# KiCad board universal_interface_adapter.kicad_pcb (continued)
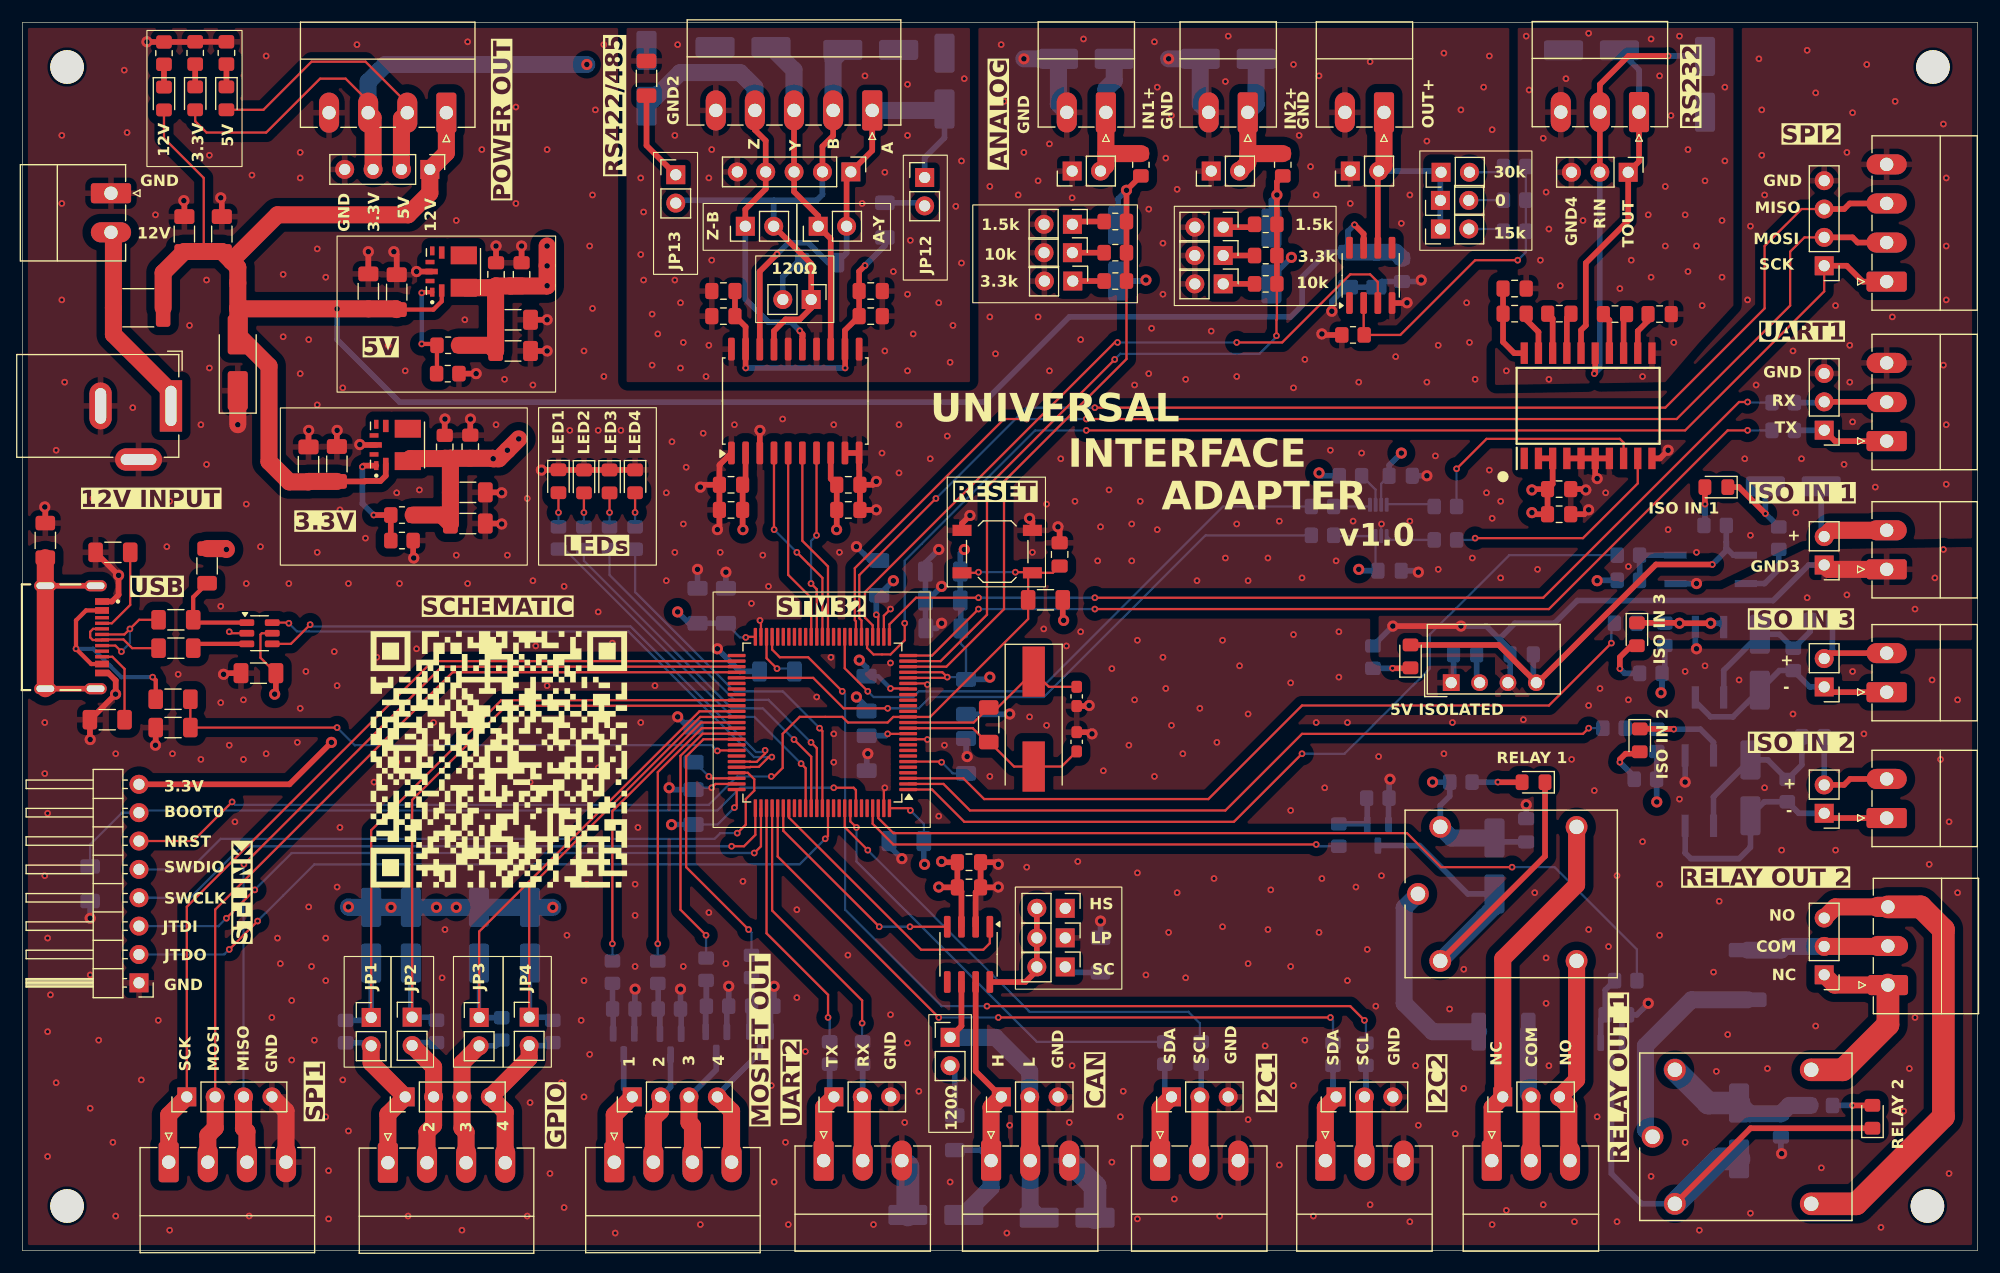
[diagram p0: board, top side]
## Library data of the parts
C1 C2 C8 = -: ki_fp_filters: C_*
C3-C7 C9-C18 C21-C58 = -: Description: Unpolarized capacitor; ki_fp_filters: C_*
C19 C20 = -: Description: Unpolarized capacitor, small symbol; ki_fp_filters: C_*
D1 D2 D7 D8 D10 D13 D16-D18 D32-D35 = -: Description: Light emitting diode; Sim.Pins: 1=K 2=A; ki_fp_filters: LED* LED_SMD:* LED_THT:*
D3-D6 D9 D11 D12 D14 D15 D29 D30 = -: Description: Diode; Sim.Pins: 1=K 2=A; ki_fp_filters: TO-???* *_Diode_* *SingleDiode* D_*
D19-D28 D31 = -: Description: Bidirectional transient-voltage-suppression diode, small symbol; ki_fp_filters: TO-???* *_Diode_* *SingleDiode* D_*
F1-F3 = -: Description: Resettable fuse, polymeric positive temperature coefficient; ki_fp_filters: *polyfuse* *PTC*
H1-H4 = -: ki_fp_filters: MountingHole*
IC1 = -: MANUFACTURER_NAME: Analog Devices; MF: Analog Devices; MOUSER_PRICE-STOCK: https://www.mouser.co.uk/ProductDetail/Analog-Devices/ADM3251EARWZ-REEL?qs=BpaRKvA4VqE7UopaPG65PQ%3D%3D; DESCRIPTION: , Line Transceiver; MOUSER_PART_NUMBER: 584-ADM3251EARWZ-R; Price: None; Package: SOIC -20 Analog Devices; Check_prices: https://www.snapeda.com/parts/ADM3251EARWZ/Analog+Devices/view-part/?ref=eda; HEIGHT: 2.65mm; MP: ADM3251EARWZ; SnapEDA_Link: https://www.snapeda.com/parts/ADM3251EARWZ/Analog+Devices/view-part/?ref=snap; ARROW_PRICE-STOCK: https://www.arrow.com/en/products/adm3251earwz-reel/analog-devices; Description_1: Isolated Single Channel RS-232 Line Driver/Receiver; Availability: In Stock
J1 = -: ki_fp_filters: Connector*:*_1x??_*
J2 = -: SNAPEDA_PN: USB4800-03-A; STANDARD: Manufacturer Recommendations; MAXIMUM_PACKAGE_HEIGHT: 5.38 mm; PARTREV: A; MANUFACTURER: GCT
J3-J6 J17-J19 J21 J35-J38 J41-J44 = -: Description: Generic connector, single row, 01x03, script generated (kicad-library-utils/schlib/autogen/connector/); ki_fp_filters: Connector*:*_1x??_*
J7-J12 J23-J29 = -: Description: Generic connector, single row, 01x02, script generated (kicad-library-utils/schlib/autogen/connector/); ki_fp_filters: Connector*:*_1x??_*
J13-J16 J31-J34 J39 J40 = -: Description: Generic connector, single row, 01x04, script generated (kicad-library-utils/schlib/autogen/connector/); ki_fp_filters: Connector*:*_1x??_*
J20 J22 = -: Description: Generic connector, single row, 01x05, script generated (kicad-library-utils/schlib/autogen/connector/); ki_fp_filters: Connector*:*_1x??_*
J30 = -: Description: DC Barrel Jack with an internal switch; ki_fp_filters: BarrelJack*
JP1-JP22 = -: Description: Jumper, 2-pole, open; ki_fp_filters: Jumper* TestPoint*2Pads* TestPoint*Bridge*
K1 K2 = -: MF: Rayex; MAXIMUM_PACKAGE_HEIGHT: 15.2mm; Package: None; Price: None; Check_prices: https://www.snapeda.com/parts/LEG-24/Rayex/view-part/?ref=eda; STANDARD: Manufacturer Recommendations; PARTREV: N/A; SnapEDA_Link: https://www.snapeda.com/parts/LEG-24/Rayex/view-part/?ref=snap; MP: LEG-24; Description_1: Relay: electromagnetic; SPDT; Ucoil: 24VDC; 10A/120VAC; 10A/24VDC; SNAPEDA_PN: LEG-24; Availability: Not in stock; MANUFACTURER: Rayex
Q1-Q6 = -: Datasheet: https://www.infineon.com/dgdl/Infineon-IRLML6244-DataSheet-v01_01-EN.pdf?fileId=5546d462533600a4015356686fed261f; Description: 6.3A Id, 20V Vds, 21mOhm Rds, N-Channel StrongIRFET Power MOSFET, SOT-23; ki_fp_filters: SOT?23*
R1-R11 = -: ki_fp_filters: R_*
R12 R13 R16 R17 R32-R39 = -: Description: Resistor, small symbol; ki_fp_filters: R_*
R14 R15 R18-R31 R40-R77 R79-R86 = -: Description: Resistor; ki_fp_filters: R_*
U1 = -: Datasheet: https://www.st.com/resource/en/datasheet/usblc6-2.pdf; Description: Very low capacitance ESD protection diode, 2 data-line, SOT-23-6; ki_fp_filters: SOT?23*
U2 = -: Datasheet: https://www.st.com/resource/en/datasheet/stm32f446ve.pdf; Description: STMicroelectronics Arm Cortex-M4 MCU, 512KB flash, 128KB RAM, 180 MHz, 1.8-3.6V, 81 GPIO, LQFP100; ki_fp_filters: LQFP*14x14mm*P0.5mm*
U3-U5 = -: Datasheet: http://optoelectronics.liteon.com/upload/download/DS70-2001-010/S_110_LTV-356T%2020140520.pdf; Description: DC Optocoupler, Vce 80V, CTR 50%, SO-4; ki_fp_filters: SO*4.4x3.6mm*P2.54mm*
U6 = -: Datasheet: http://www.ti.com/lit/ds/symlink/sn65hvd230.pdf; Description: CAN Bus Transceivers, 3.3V, 1Mbps, Low-Power capabilities, SOIC-8; ki_fp_filters: SOIC*3.9x4.9mm*P1.27mm*
U7 = -: Datasheet: http://www.ti.com/lit/ds/symlink/txb0102.pdf; Description: 2-Bit Bidirectional Voltage-Level Translator With Auto Direction Sensing and ±15-kV ESD Protection, VSSOP-8; ki_fp_filters: VSSOP*2.3x2mm*P0.5mm*
U8 = -: Datasheet: www.analog.com/media/en/technical-documentation/data-sheets/ADM2582E_2587E.pdf; Description: Isolated RS485/RS422 Transceiver,Integrated Isolated DC-DC Converter, 16Mbps,SO-20; ki_fp_filters: SOIC*7.5x12.8mm*P1.27mm*
U9 = -: Datasheet: http://www.ti.com/lit/ds/symlink/opa197.pdf; Description: Single 36V, Precision, Rail-to-Rail Input/Output, Low Offset Voltage, Operational Amplifier, SOIC-8; ki_fp_filters: SOIC*3.9x4.9mm*P1.27mm*
U10 U11 = -: MF: Recom Power; MAXIMUM_PACKAGE_HEIGHT: 2.0mm; Package: PowerBQFN-9 Recom Power; Price: None; Check_prices: https://www.snapeda.com/parts/RPX-2.5-R/Recom+Power/view-part/?ref=eda; STANDARD: Manufacturer recommendations; PARTREV: 03/2020; SnapEDA_Link: https://www.snapeda.com/parts/RPX-2.5-R/Recom+Power/view-part/?ref=snap; Description_1: Non-Isolated PoL Module DC DC Converter 1 Output 1.2 ~ 6V - - - 2.5A 4.5V - 28V Input; Availability: In Stock; MANUFACTURER: RECOM
U12 = -: Datasheet: https://www.tracopower.com/products/tea1.pdf; Description: 1W DC/DC converter unregulated, 4.5-5.5V input, 5V output voltage, 200mA output, 1.5kVDC isolation, SIP-4; ki_fp_filters: Converter*DCDC*TRACO*TEA1*THT*
Y1 = -: ki_fp_filters: Crystal*

## Footprints (pads in the part's own frame, mm; a bottom-side part is the same pattern mirrored in y, then rotated)
BarrelJack_GCT_DCJ200-10-A_Horizontal
  rect 4.6x2 hole 3.6x1: 1(0,0)
  oval 4.2x2 hole 3.2x1: 2(0,-6.3)
  oval 2x4.2 hole 1x3.2: 3(4.8,-2.9)
C_0603_1608Metric_Pad1.08x0.95mm_HandSolder
  rrect 1.075x0.95 smd: 1(-0.863,0) 2(0.863,0)
C_0805_2012Metric_Pad1.18x1.45mm_HandSolder
  rrect 1.175x1.45 smd: 1(-1.038,0) 2(1.038,0)
C_1206_3216Metric_Pad1.33x1.80mm_HandSolder
  rrect 1.325x1.8 smd: 1(-1.562,0) 2(1.562,0)
CONV_RPX-2.5-R
  rect 0.8x0.4 smd: 1(-1.85,1.9) 6(1.85,1.9)
  rect 1.1x0.5 smd: 2(-1.7,1.05) 5(1.7,1.05)
  rect 1.6x2.35 smd: 3(-1.45,-0.925) 4(1.45,-0.925)
  rect 0.4x0.8 smd: 7(0.85,2.1) 9(-0.85,2.1)
  rect 0.5x1.1 smd: 8(0,1.95)
Converter_DCDC_TRACO_TEA1-xxxx_THT
  rect 1.5x1.5 hole 1: 1(0,0)
  round 1.5 hole 1: 2(0,-2.54) 3(0,-5.08) 4(0,-7.62)
Crystal_SMD_HC49-SD
  rect 4.5x2 smd: 1(-4.25,0) 2(4.25,0)
D_SMA_Handsoldering
  rrect 3.5x1.8 smd: 1(-2.5,0) 2(2.5,0)
Fuse_1812_4532Metric_Pad1.30x3.40mm_HandSolder
  rrect 1.3x3.4 smd: 1(-2.225,0) 2(2.225,0)
GCT_USB4800-03-A_REVA
  rect 0.6x1.25 smd: A1_B12(-3.2,5.075) A4_B9(-2.4,5.075) B1_A12(3.2,5.075) B4_A9(2.4,5.075)
  rect 0.3x1.25 smd: A5(-1.25,5.075) A6(-0.25,5.075) A7(0.25,5.075) A8(1.25,5.075) B5(1.75,5.075) B6(0.75,5.075) B7(-0.75,5.075) B8(-1.75,5.075)
  oval 1x2 hole 0.6x1.6: S1(-4.61,0) S2(4.61,0) S3(-4.61,4.5) S4(4.61,4.5)
LED_0805_2012Metric_Pad1.15x1.40mm_HandSolder
  rrect 1.15x1.4 smd: 1(-1.025,0) 2(1.025,0)
LQFP-100_14x14mm_P0.5mm
  rrect 1.6x0.3 smd: 1(-7.675,6) 2(-7.675,5.5) 3(-7.675,5) 4(-7.675,4.5) 5(-7.675,4) 6(-7.675,3.5) 7(-7.675,3) 8(-7.675,2.5) 9(-7.675,2) 10(-7.675,1.5) 11(-7.675,1) 12(-7.675,0.5) 13(-7.675,0) 14(-7.675,-0.5) 15(-7.675,-1) 16(-7.675,-1.5) 17(-7.675,-2) 18(-7.675,-2.5) 19(-7.675,-3) 20(-7.675,-3.5) 21(-7.675,-4) 22(-7.675,-4.5) 23(-7.675,-5) 24(-7.675,-5.5) 25(-7.675,-6) 51(7.675,-6) 52(7.675,-5.5) 53(7.675,-5) 54(7.675,-4.5) 55(7.675,-4) 56(7.675,-3.5) 57(7.675,-3) 58(7.675,-2.5) 59(7.675,-2) 60(7.675,-1.5) 61(7.675,-1) 62(7.675,-0.5) 63(7.675,0) 64(7.675,0.5) 65(7.675,1) 66(7.675,1.5) 67(7.675,2) 68(7.675,2.5) 69(7.675,3) 70(7.675,3.5) 71(7.675,4) 72(7.675,4.5) 73(7.675,5) 74(7.675,5.5) 75(7.675,6)
  rrect 0.3x1.6 smd: 26(-6,-7.675) 27(-5.5,-7.675) 28(-5,-7.675) 29(-4.5,-7.675) 30(-4,-7.675) 31(-3.5,-7.675) 32(-3,-7.675) 33(-2.5,-7.675) 34(-2,-7.675) 35(-1.5,-7.675) 36(-1,-7.675) 37(-0.5,-7.675) 38(0,-7.675) 39(0.5,-7.675) 40(1,-7.675) 41(1.5,-7.675) 42(2,-7.675) 43(2.5,-7.675) 44(3,-7.675) 45(3.5,-7.675) 46(4,-7.675) 47(4.5,-7.675) 48(5,-7.675) 49(5.5,-7.675) 50(6,-7.675) 76(6,7.675) 77(5.5,7.675) 78(5,7.675) 79(4.5,7.675) 80(4,7.675) 81(3.5,7.675) 82(3,7.675) 83(2.5,7.675) 84(2,7.675) 85(1.5,7.675) 86(1,7.675) 87(0.5,7.675) 88(0,7.675) 89(-0.5,7.675) 90(-1,7.675) 91(-1.5,7.675) 92(-2,7.675) 93(-2.5,7.675) 94(-3,7.675) 95(-3.5,7.675) 96(-4,7.675) 97(-4.5,7.675) 98(-5,7.675) 99(-5.5,7.675) 100(-6,7.675)
MountingHole_3mm
  round 3 hole 3 unplated: (0,0)
PhoenixContact_MC_1,5_2-G-3.5_1x02_P3.50mm_Horizontal
  rrect 1.8x3.6 hole 1.2: 1(0,0)
  oval 1.8x3.6 hole 1.2: 2(3.5,0)
PhoenixContact_MC_1,5_3-G-3.5_1x03_P3.50mm_Horizontal
  rrect 1.8x3.6 hole 1.2: 1(0,0)
  oval 1.8x3.6 hole 1.2: 2(3.5,0) 3(7,0)
PhoenixContact_MC_1,5_4-G-3.5_1x04_P3.50mm_Horizontal
  rrect 1.8x3.6 hole 1.2: 1(0,0)
  oval 1.8x3.6 hole 1.2: 2(3.5,0) 3(7,0) 4(10.5,0)
PhoenixContact_MC_1,5_5-G-3.5_1x05_P3.50mm_Horizontal
  rrect 1.8x3.6 hole 1.2: 1(0,0)
  oval 1.8x3.6 hole 1.2: 2(3.5,0) 3(7,0) 4(10.5,0) 5(14,0)
PinHeader_1x02_P2.54mm_Vertical
  rect 1.7x1.7 hole 1: 1(0,0)
  oval 1.7x1.7 hole 1: 2(0,-2.54)
PinHeader_1x03_P2.54mm_Vertical
  rect 1.7x1.7 hole 1: 1(0,0)
  oval 1.7x1.7 hole 1: 2(0,-2.54) 3(0,-5.08)
PinHeader_1x04_P2.54mm_Vertical
  rect 1.7x1.7 hole 1: 1(0,0)
  oval 1.7x1.7 hole 1: 2(0,-2.54) 3(0,-5.08) 4(0,-7.62)
PinHeader_1x05_P2.54mm_Vertical
  rect 1.7x1.7 hole 1: 1(0,0)
  oval 1.7x1.7 hole 1: 2(0,-2.54) 3(0,-5.08) 4(0,-7.62) 5(0,-10.16)
PinHeader_1x08_P2.54mm_Horizontal
  rect 1.7x1.7 hole 1: 1(0,0)
  oval 1.7x1.7 hole 1: 2(0,-2.54) 3(0,-5.08) 4(0,-7.62) 5(0,-10.16) 6(0,-12.7) 7(0,-15.24) 8(0,-17.78)
R_0805_2012Metric_Pad1.20x1.40mm_HandSolder
  rrect 1.2x1.4 smd: 1(-1,0) 2(1,0)
R_1206_3216Metric_Pad1.30x1.75mm_HandSolder
  rrect 1.3x1.75 smd: 1(-1.55,0) 2(1.55,0)
RELAY_LEG-24
  round 1.95 hole 1.3: C1(-6.35,6) C2(-6.35,-6) COM(-8.35,0) NC(5.85,6) NO(5.85,-6)
SO-4_4.4x3.6mm_P2.54mm
  rect 2x0.64 smd: 1(-3.15,1.27) 2(-3.15,-1.27) 3(3.15,-1.27) 4(3.15,1.27)
SOIC127P1032X265-20N
  rect 1.925x0.65 smd: 1(-4.712,5.715) 2(-4.712,4.445) 3(-4.712,3.175) 4(-4.712,1.905) 5(-4.712,0.635) 6(-4.712,-0.635) 7(-4.712,-1.905) 8(-4.712,-3.175) 9(-4.712,-4.445) 10(-4.712,-5.715) 11(4.712,-5.715) 12(4.712,-4.445) 13(4.712,-3.175) 14(4.712,-1.905) 15(4.712,-0.635) 16(4.712,0.635) 17(4.712,1.905) 18(4.712,3.175) 19(4.712,4.445) 20(4.712,5.715)
SOIC-8_3.9x4.9mm_P1.27mm
  rrect 1.95x0.6 smd: 1(-2.475,1.905) 2(-2.475,0.635) 3(-2.475,-0.635) 4(-2.475,-1.905) 5(2.475,-1.905) 6(2.475,-0.635) 7(2.475,0.635) 8(2.475,1.905)
SOIC-20W_7.5x12.8mm_P1.27mm
  rrect 2.05x0.6 smd: 1(-4.65,5.715) 2(-4.65,4.445) 3(-4.65,3.175) 4(-4.65,1.905) 5(-4.65,0.635) 6(-4.65,-0.635) 7(-4.65,-1.905) 8(-4.65,-3.175) 9(-4.65,-4.445) 10(-4.65,-5.715) 11(4.65,-5.715) 12(4.65,-4.445) 13(4.65,-3.175) 14(4.65,-1.905) 15(4.65,-0.635) 16(4.65,0.635) 17(4.65,1.905) 18(4.65,3.175) 19(4.65,4.445) 20(4.65,5.715)
SOT-23
  rrect 1.475x0.6 smd: 1(-0.938,0.95) 2(-0.938,-0.95) 3(0.938,0)
SOT-23-6
  rrect 1.325x0.6 smd: 1(-1.137,0.95) 2(-1.137,0) 3(-1.137,-0.95) 4(1.137,-0.95) 5(1.137,0) 6(1.137,0.95)
SW_SPST_TL3342
  rect 1.7x1 smd: 1(-3.15,1.9) 1(3.15,1.9) 2(-3.15,-1.9) 2(3.15,-1.9)
VSSOP-8_2.3x2mm_P0.5mm
  rrect 1.25x0.35 smd: 1(-1.4,0.75) 2(-1.4,0.25) 3(-1.4,-0.25) 4(-1.4,-0.75) 5(1.4,-0.75) 6(1.4,-0.25) 7(1.4,0.25) 8(1.4,0.75)

## Nets
5V_ISOLATED: C58.1 D35.2 R28.2 U5.1 U12.4
+3.3V: C4.1 C5.1 C6.1 C7.1 C9.1 C11.1 C13.1 C14.1 C15.1 C16.1 C17.1 C18.1 C21.1 C22.1 C23.1 C24.1 C25.1 C26.1 C27.1 C50.1 C52.1 C54.1 C56.1 D11.1 D12.1 D14.1 D15.1 D29.1 D30.1 D34.2 J1.8 J31.3 J32.3 JP5.1 R8.2 R22.1 R23.1 R24.2 R25.2 R30.1 R52.2 R73.2 U2.6 U2.11 U2.19 U2.21 U2.22 U2.28 U2.50 U2.75 U2.100 U6.3 U7.3 U8.2 U8.8 U11.3
+5V: C3.1 C19.1 C20.1 C28.1 C29.1 C30.1 C49.1 C51.1 C53.1 C55.1 C57.1 D3.1 D4.1 D33.2 IC1.2 IC1.3 J31.2 J32.2 K1.C1 K2.C1 R1.1 R14.2 R15.2 R72.2 U1.5 U7.7 U10.3 U12.2
+12V: C40.1 C41.1 C42.1 C43.1 C44.1 C45.1 C46.1 C47.1 C48.1 D31.2 D32.2 F3.2 J31.1 J32.1 U9.7 U10.2 U11.2
/VBUS_SENS: R10.2 R11.1 U2.68
GND: C1.1 C2.1 C3.2 C4.2 C5.2 C6.2 C7.2 C8.1 C9.2 C10.2 C11.2 C12.2 C13.2 C14.2 C15.2 C16.2 C17.2 C18.2 C19.2 C20.2 C21.2 C22.2 C23.2 C24.2 C25.2 C26.2 C27.2 C28.2 C29.2 C30.2 C40.2 C41.2 C42.2 C43.2 C44.2 C45.2 C46.2 C47.2 C48.2 C49.2 C50.2 C51.2 C52.2 C53.2 C54.2 C55.2 C56.2 C57.2 D13.1 D16.1 D17.1 D18.1 D19.2 D20.1 D27.1 D28.1 D31.1 IC1.4 IC1.5 IC1.6 IC1.7 IC1.10 J1.1 J2.A1_B12 J2.B1_A12 J17.3 J18.3 J23.2 J24.1 J25.1 J26.1 J27.2 J28.2 J29.1 J30.2 J30.3 J31.4 J32.4 J33.4 J34.4 J35.3 J36.3 J37.3 J38.3 J39.4 J40.4 J41.3 J42.3 J43.3 J44.3 JP6.1 JP17.2 JP18.2 JP19.2 JP20.2 JP21.2 JP22.2 Q1.2 Q2.2 Q3.2 Q4.2 Q5.2 Q6.2 R4.2 R5.2 R7.2 R9.1 R11.2 R16.1 R17.1 R36.1 R37.1 R38.1 R39.1 R48.2 R58.1 R70.2 R71.2 R74.2 R75.2 R76.2 SW1.2 U1.2 U2.10 U2.20 U2.27 U2.49 U2.74 U2.99 U3.3 U4.3 U5.3 U6.2 U7.2 U8.1 U8.3 U8.9 U8.10 U9.4 U10.8 U11.8 U12.1
GND2: C31.2 C32.2 C33.2 C34.2 D21.1 D22.1 D23.1 D24.1 J20.5 J22.5 R56.2 U8.11 U8.14 U8.16 U8.20
GND3: C58.2 J11.1 J12.1 R77.2 U12.3
GND4: C37.2 C39.2 D25.1 D26.1 IC1.11 J19.3 J21.3
/Analog_in_1: D29.2 R62.1 R63.2 R66.2 R68.2 U2.23
/Analog_in_2: D30.2 R64.1 R65.2 R67.2 R69.2 U2.24
/Analog_out_1: U2.29 U9.3
/BOOT0: J1.7 R9.2 U2.94
/CAN/CAN_H: D19.1 J17.1 J18.1 R49.1 U6.7
/CAN/CAN_L: D20.2 J17.2 J18.2 JP8.1 U6.6
/CAN_D: U2.82 U6.1
/CAN_R: U2.81 U6.4
/Crystal+: C1.2 R6.1 U2.12 Y1.2
/Crystal-: C2.2 R6.2 U2.13 Y1.1
/DN: J2.A7 J2.B7 R3.2
/DP: J2.A6 J2.B6 R2.1
/GPIO + LED/GPIO_1_CONN: J15.1 J16.1 JP1.2 R40.1
/GPIO + LED/GPIO_2_CONN: J15.2 J16.2 JP2.2 R41.1
/GPIO + LED/GPIO_3_CONN: J15.3 J16.3 JP3.2 R44.1
/GPIO + LED/GPIO_4_CONN: J15.4 J16.4 JP4.2 R45.1
/GPIO + LED/MOS_OUT_1: J13.1 J14.1 Q3.3
/GPIO + LED/MOS_OUT_2: J13.2 J14.2 Q4.3
/GPIO + LED/MOS_OUT_3: J13.3 J14.3 Q5.3
/GPIO + LED/MOS_OUT_4: J13.4 J14.4 Q6.3
/GPIO_1: D11.2 JP1.1 R40.2 U2.59
/GPIO_2: D12.2 JP2.1 R41.2 U2.60
/GPIO_3: D14.2 JP3.1 R44.2 U2.61
/GPIO_4: D15.2 JP4.1 R45.2 U2.62
/I2C1_SCL: R84.2 U2.92
/I2C1_SDA: R83.2 U2.93
/I2C2_SCL: R86.2 U2.47
/I2C2_SDA: R85.2 U2.80
/Isolated_input_1: R31.1 U2.1
/Isolated_input_2: R26.1 U2.2
/Isolated_input_3: R27.1 U2.3
/JTDI: J1.3 U2.77
/JTDO: J1.2 U2.89
/LED_1: R42.2 U2.85
/LED_2: R43.2 U2.86
/LED_3: R46.2 U2.87
/LED_4: R47.2 U2.88
/MOSFET_OUT_1: R32.1 U2.63
/MOSFET_OUT_2: R33.1 U2.64
/MOSFET_OUT_3: R34.1 U2.65
/MOSFET_OUT_4: R35.1 U2.66
/NRST: C8.2 J1.6 R8.1 SW1.1 U2.14
/RELAY_OUT_1: R12.1 U2.97
/RELAY_OUT_2: R13.1 U2.98
/RS232_RxD: R50.2 U2.34
/RS232_TxD: R51.1 U2.55
/RS422 + RS485 + RS232/A: D23.2 J20.1 J22.1 JP10.2 JP12.1 R57.2 U8.18
/RS422 + RS485 + RS232/B: D24.2 J20.2 J22.2 JP9.2 JP11.1 JP13.2 U8.17
/RS422 + RS485 + RS232/RIN: D25.2 IC1.15 J19.2 J21.2
/RS422 + RS485 + RS232/TOUT: D26.2 IC1.16 J19.1 J21.1
/RS422 + RS485 + RS232/Y: D21.2 J20.3 J22.3 JP10.1 U8.13
/RS422 + RS485 + RS232/Z: D22.2 J20.4 J22.4 JP9.1 U8.15
/RS485_DE: U2.37 U8.6
/RS485_RE: U2.40 U8.5
/RS485_RxD: U2.38 U8.4
/RS485_TxD: U2.39 U8.7
/SPI1_MISO: J33.3 J39.3 U2.53
/SPI1_MOSI: J33.2 J39.2 U2.54
/SPI1_SCK: J33.1 J39.1 U2.52
/SPI2_MISO: J34.3 J40.3 U2.31
/SPI2_MOSI: J34.2 J40.2 U2.32
/SPI2_SCK: J34.1 J40.1 U2.30
/SWCLK: J1.4 U2.76
/SWDIO: J1.5 U2.72
/UART1_RX: R80.2 U2.26
/UART1_TX: R79.2 U2.25
/UART2_RX: R82.2 U2.79
/UART2_TX: R81.2 U2.78
/USB_DN: R3.1 U1.3
/USB_DP: R1.2 R2.2 U1.1
/USB_uC_DN: U1.4 U2.70
/USB_uC_DP: U1.6 U2.71
V_RS485: C31.1 C32.1 C33.1 C34.1 R55.1 U8.12 U8.19
V_USB: J2.A4_B9 J2.B4_A9 R10.1
Net-(D1-A): D1.2 R14.1
Net-(D1-K): D1.1 D3.2 K1.C2 Q1.3
Net-(D2-A): D2.2 R15.1
Net-(D2-K): D2.1 D4.2 K2.C2 Q2.3
Net-(D5-A): D5.2 J7.1 J9.1 R20.1 U3.2
Net-(D5-K): D5.1 R18.2 R20.2 U3.1
Net-(D6-A): D6.2 J8.1 J10.1 R21.1 U4.2
Net-(D6-K): D6.1 R19.2 R21.2 U4.1
Net-(D7-A): D7.2 R24.1
Net-(D7-K): D7.1 R22.2 R26.2 U3.4
Net-(D8-A): D8.2 R25.1
Net-(D8-K): D8.1 R23.2 R27.2 U4.4
Net-(D9-K): D9.1 J11.2 J12.2
Net-(D10-A): D10.2 R28.1
Net-(D10-K): D9.2 D10.1 R29.1
Net-(D13-A): D13.2 R42.1
Net-(D16-A): D16.2 R43.1
Net-(D17-A): D17.2 R46.1
Net-(D18-A): D18.2 R47.1
Net-(D27-A2): D27.2 J25.2 J27.1 R62.2
Net-(D28-A2): D28.2 J26.2 J28.1 R64.2
Net-(D32-K): D32.1 R74.1
Net-(D33-K): D33.1 R75.1
Net-(D34-K): D34.1 R76.1
Net-(D35-K): D35.1 R77.1
Net-(F1-Pad1): F1.1 K1.COM
Net-(F2-Pad1): F2.1 K2.COM
Net-(IC1-C1+): C35.1 IC1.18
Net-(IC1-C1-): C35.2 IC1.17
Net-(IC1-C2+): C36.1 IC1.14
Net-(IC1-C2-): C36.2 IC1.13
Net-(IC1-ROUT): IC1.8 R53.1
Net-(IC1-TIN): IC1.9 R54.2
Net-(IC1-V+): C38.2 IC1.19
Net-(IC1-V-): C37.1 IC1.12
Net-(IC1-VISO): C38.1 C39.1 IC1.20
Net-(J2-CC1): J2.A5 R4.1
Net-(J2-CC2): J2.B5 R7.1
Net-(J2-SHIELD-PadS1): J2.S1 J2.S2 J2.S3 J2.S4 R5.1
Net-(J3-Pin_1): J3.1 J5.1 K1.NC
Net-(J3-Pin_2): F1.2 J3.2 J5.2
Net-(J3-Pin_3): J3.3 J5.3 K1.NO
Net-(J4-Pin_1): J4.1 J6.1 K2.NC
Net-(J4-Pin_2): F2.2 J4.2 J6.2
Net-(J4-Pin_3): J4.3 J6.3 K2.NO
Net-(J7-Pin_2): J7.2 J9.2 R18.1
Net-(J10-Pin_2): J8.2 J10.2 R19.1
Net-(J23-Pin_1): J23.1 J24.2 JP14.1 JP15.1 JP16.1 U9.6
Net-(J29-Pin_2): F3.1 J29.2 J30.1
Net-(J35-Pin_1): J35.1 J37.1 R79.1
Net-(J35-Pin_2): J35.2 J37.2 R80.1
Net-(J36-Pin_1): J36.1 J38.1 R81.1
Net-(J36-Pin_2): J36.2 J38.2 R82.1
Net-(J41-Pin_1): J41.1 J43.1 R83.1
Net-(J41-Pin_2): J41.2 J43.2 R84.1
Net-(J42-Pin_1): J42.1 J44.1 R85.1
Net-(J42-Pin_2): J42.2 J44.2 R86.1
Net-(JP5-B): JP5.2 JP6.2 JP7.2 U6.8
Net-(JP7-A): JP7.1 R48.1
Net-(JP8-B): JP8.2 R49.2
Net-(JP11-B): JP11.2 R57.1
Net-(JP12-B): JP12.2 R55.2
Net-(JP13-A): JP13.1 R56.1
Net-(JP14-B): JP14.2 R59.2
Net-(JP15-B): JP15.2 R60.2
Net-(JP16-B): JP16.2 R61.2
Net-(JP17-A): JP17.1 R63.1
Net-(JP18-A): JP18.1 R65.1
Net-(JP19-A): JP19.1 R66.1
Net-(JP20-A): JP20.1 R67.1
Net-(JP21-A): JP21.1 R68.1
Net-(JP22-A): JP22.1 R69.1
Net-(Q1-G): Q1.1 R12.2 R16.2
Net-(Q2-G): Q2.1 R13.2 R17.2
Net-(Q3-G): Q3.1 R32.2 R36.2
Net-(Q4-G): Q4.1 R33.2 R37.2
Net-(Q5-G): Q5.1 R34.2 R38.2
Net-(Q6-G): Q6.1 R35.2 R39.2
Net-(R29-Pad2): R29.2 U5.2
Net-(R30-Pad2): R30.2 R31.2 U5.4
Net-(U2-VCAP_1): C10.1 U2.48
Net-(U2-VCAP_2): C12.1 U2.73
Net-(U7-A1): R50.1 U7.5
Net-(U7-A2): R51.2 U7.4
Net-(U7-B1): R53.2 U7.8
Net-(U7-B2): R54.1 U7.1
Net-(U7-OE): R52.1 U7.6
Net-(U9--): R58.2 R59.1 R60.1 R61.1 U9.2
Net-(U10-FB): R70.1 R72.1 U10.1
Net-(U11-FB): R71.1 R73.1 U11.1

Pads without a net: IC1 1; J2 A8 B8; U2 4 5 7 8 9 15 16 17 18 33 35 36 41 42 43 44 45 46 51 56 57 58 67 69 83 84 90 91 95 96; U6 5; U9 1 5 8; U10 4 5 6 7 9; U11 4 5 6 7 9

## Via types
v1: diameter 0.6, hole 0.3, Top to Bottom, 647 vias
v2: diameter 1, hole 0.5, Top to Bottom, 123 vias

## Routing (per net, layer and track width the routed paths; a pad name or vN(x,y) marks a point on that pad's centre or on a via; arc(x,y) is an arc through that point)
5V_ISOLATED: length 42
  Top w0.508: D35.2 132.13,54.24 U12.4 135.63,50.87 146.21,61.45 v1(151.25,61.45)
  Bottom w0.508: U5.1 153.14,62.28 152.5,62.92 152.5,63.45 ; 152.5,63.45 152.5,62.7 v1(151.25,61.45) ; 152.5,63.45 R28.2 ; C58.1 135.23,51.14 U12.4
+3.3V: length 222.3
  Top w0.203: U2.11 79.26,46.28 v1(77.45,46.28) ; D34.2 15.47,101.15 16.49,100.13 21.82,100.13 26.65,104.96 28.93,104.96 30.95,102.94 J31.3 ; U2.50 64.8,54.97 v1(64.75,54.92) ; v1(77.7,50.35) 79.23,50.35 U2.19 ; U2.21 82.72,51.3 v1(82.78,51.36) 82.34,51.8 U2.22 ; U2.6 82.22,43.8 v1(82.27,43.74) ; v1(63.73,39.68) 63.93,39.88 U2.75 ; U2.100 79.28,39.62 v1(79.48,39.42) ; U2.28 76.6,56.78 v1(76.43,56.95)
  Top w0.508: R8.2 93.12,56.52 v2(93.19,56.44) ; U8.8 72.35,69.12 C24.1 C23.1 72.89,64.58 v2(72.87,64.57) ; J1.8 23.91,41.76 v2(27.66,45.52) ; v2(82.27,34.85) 82.34,34.78 C22.1 C21.1 ; C21.1 82.05,32.53 v2(82.02,32.57) ; C21.1 84.05,32.17 U6.3 ; U8.2 64.73,68.85 C27.1 C26.1 64.46,64.6 v2(64.49,64.57)
  Top w1.524: R73.2 37.55,65.88 C52.1 C50.1 38.31,70.96 ; 38.31,70.96 C54.1 42.1,70.96 v2(42.14,70.92) 42.65,70.92 v2(43.41,71.68) v2(44.43,72.7) ; 38.31,70.96 37.82,70.96 37.8,70.94 34.73,70.94 U11.3 ; J32.3 31.39,101.47 J31.3
  Bottom w0.2: 83.99,60.77 C14.1
  Bottom w0.203: 119.73,60.9 v2(119.61,61.01) ; v1(79.48,39.42) 80.69,38.21 C13.1 ; v1(82.27,43.74) 83.27,42.74 C17.1 ; v1(63.73,39.68) 62.22,38.17 C9.1 ; C5.1 64.24,54.92 v1(64.75,54.92) ; 76.43,58.43 C7.1 76.68,58.73 ; 77.28,46.12 v1(77.45,46.28) ; U7.3 121.11,61.11 C25.1 ; C16.1 83.99,54.35 84.46,53.88 C18.1 84.26,51.36 v1(82.78,51.36)
  Bottom w0.381: v1(77.7,50.35) 76.59,51.45 C11.1
  Bottom w0.508: v2(58.1,38.15) 58.12,38.17 C9.1 ; v2(84.3,62.79) 83.95,62.44 C14.1 C15.1 83.99,58.18 C16.1 ; v2(80.75,34.6) 80.69,34.66 C13.1 ; v2(140.95,60) 140.98,60.03 R30.1 ; D30.1 111.79,87.16 v2(113.58,88.95) ; v2(58.65,57.2) 59.67,56.19 C4.1 C5.1 ; C18.1 86.39,51.16 v2(86.59,51.36) ; v2(116.05,69.65) 116.31,69.4 R52.2 ; v2(146.28,40.19) 146.26,40.2 R24.2 146.28,42.23 R22.1 ; 146.53,49.84 v2(146.66,49.96) 146.75,50.06 R25.2 147,51.95 R23.1 ; v2(100.56,86.92) 100.47,86.83 D29.1 ; 76.68,58.73 v2(77.95,60) ; C11.1 75.57,52.22 v2(74.91,52.89) ; v1(76.43,56.95) 76.43,58.43 ; C25.1 119.73,60.9 ; C6.1 77.28,46.12
  Bottom w1.524: v2(50.52,106.23) 32.49,106.23 30.95,104.69 J31.3 ; v2(47.47,30.75) D15.1 D14.1 v2(38.84,30.75) v2(37.06,30.75) D12.1 v2(33,30.75) D11.1 29.23,30.75 v2(29.19,30.79)
+5V: length 101.4
  Top w0.203: J31.2 34.45,102.74 30.71,106.48 25.88,106.48 21.57,102.17 D33.2 ; C3.1 21.31,53.1 21.31,55.17 21.43,55.29 U1.5
  Top w0.508: v2(135.1,66.09) 135.25,65.95 C30.1 C29.1 ; C3.1 22.69,49.95 v2(22.58,49.84) ; C29.1 136.96,68.66 IC1.3 IC1.2 ; C29.1 135.18,68.2 v2(135.1,68.13)
  Top w1.524: v2(46.97,89.97) v2(46.97,88.19) v2(46.97,86.41) 46.94,86.39 43.66,86.39 ; R72.2 41.85,81.08 C49.1 C51.1 42.36,86.35 C55.1 ; C55.1 43.66,86.39 ; C55.1 42.24,86.23 U10.3 ; 43.66,86.39 C53.1 ; R1.1 18.18,62.87 v2(18.26,62.79) ; J32.2 33.93,101.39 J31.2
  Bottom w0.203: C28.1 121.61,68.68 U7.7
  Bottom w0.508: v2(126.21,41.96) R14.2 127.75,40.71 126.9,39.86 K1.C1 ; C28.1 122.33,70.33 v2(123.42,71.43) ; D3.1 132.1,36.61 C19.1 ; U12.2 130.17,51.12 C57.1
  Bottom w1.524: D3.1 127.9,36.95 K1.C1 ; D4.1 154.61,12.26 C20.1 158.14,13.01 R15.2
  Bottom w2.032: D4.1 150.88,13.22 K2.C1
+12V: length 216.8
  Top w0.203: D32.2 12.68,99.62 16.23,96.07 16.23,89.48
  Top w0.381: U10.2 37.53,85.02 36.79,84.28 C43.1
  Top w0.508: v1(119.23,91.87) 120.05,91.06 U9.7 ; U11.2 32.53,69.4 32.06,68.93 30.69,68.93 30.65,68.89 C46.1
  Top w1.524: C46.1 25.65,68.89 C44.1 23.89,68.85 22.07,70.67 22.07,79.22 D31.2 19.28,84.38 ; 19.28,84.38 19.28,88.05 18.7,88.63 ; 19.28,84.38 19.32,84.34 v2(28.17,84.34) C45.1 33.44,84.34 C43.1 ; 18.7,88.63 22.84,92.76 34.52,92.76 36.47,94.71 J32.1 37.95,98.31 J31.1 ; 18.7,88.63 C48.1 C47.1 12.6,87.58 F3.2
  Bottom w0.508: v1(119.23,91.87) 118.65,91.29 C40.1 116.76,89.41 114.53,87.18 114.53,84.64 113.51,83.62 93.7,83.62 86.08,76 33.76,76 28.17,81.59 v2(28.17,84.34)
  Bottom w1.524: C42.1 122.93,89.41 C41.1 C40.1
/VBUS_SENS: length 52.3
  Top w0.203: v1(28.17,46.84) R11.1 R10.2 ; U2.68 62.25,44.8 v1(62.21,44.76)
  Bottom w0.203: v1(28.17,46.84) 29.75,45.27 61.7,45.27 v1(62.21,44.76)
GND: length 255.6
  Top w0.203: U2.74 62.04,41.8 v1(61.7,41.46) ; v1(77.19,41.46) 77.1,41.37 U2.99 ; U2.10 80.98,45.8 v1(81,45.77) ; v1(81,50.7) 80.9,50.8 U2.20 ; v1(66.02,56.44) 66.1,56.35 U2.49 ; U2.27 77.1,56.86 v1(77.7,57.46) ; U1.2 18.65,55.29 v1(18.52,55.43)
  Top w0.508: v2(46.46,69.9) 46.48,69.93 D13.1 48,69.91 52.55,69.91 52.56,69.92 D18.1 ; v2(37.82,74.48) 37.8,74.46 C56.2 ; v2(17.76,94.29) 17.85,94.19 C48.2 ; v2(95.48,48.82) 95.43,48.77 C2.1 ; J2.B1_A12 7.68,51.73 8.36,51.06 8.36,50.09 ; v2(66.02,73.46) 66,73.44 U8.3 ; C53.2 v2(44.68,89.97) ; v2(76.43,68.89) 76.13,68.59 C24.2 ; C46.2 28.15,73.44 v2(28.17,73.46) ; R11.2 11.94,45.29 v2(11.91,45.27) ; U8.9 U8.10 74.89,68.66 C24.2 ; IC1.6 140.77,69.32 v2(140.95,69.14) ; IC1.6 IC1.5 IC1.4 ; IC1.6 IC1.7 ; v2(139.93,68.13) 139.86,68.2 C29.2 ; C21.2 85.32,32.09 U6.2 ; C21.2 87.32,32.53 v2(87.35,32.57) ; C21.2 C22.2 87.16,34.78 v2(87.35,34.6) ; v2(62.21,64.57) 62.39,64.75 C26.2 C27.2 ; R5.2 2.06,66.55 v2(2.01,66.6) ; v2(35.03,62.03) 34.98,62.08 R71.2 ; v2(140.18,66.35) 139.79,65.95 C30.2 ; v2(33.25,89.46) 33.51,89.21 C43.2 ; C51.2 v2(46.97,83.37) ; C55.2 v2(42.39,89.97) ; v2(95.73,46.28) 95.58,46.43 C1.1 ; SW1.2 84.1,65.13 v2(84.81,65.84) ; C3.2 18.11,51.72 v2(18.01,51.62) ; C45.2 v2(30.96,89.46) ; v2(11.15,108.26) 11.17,108.24 R74.2 15.45,108.24 R76.2 R75.2 ; C52.2 42.86,65.12 v2(42.9,65.08) ; v2(8.34,49.84) 8.36,49.85 8.36,50.09 ; C27.2 62.39,70.34 62.46,70.41 62.46,70.44 U8.1 ; C27.2 60.89,68.59 v2(60.68,68.38) ; C44.2 25.61,73.44 v2(25.63,73.46) ; 8.36,50.09 8.36,49.84 6.07,47.55 R7.2 6.05,45.8 v2(6.07,45.77) ; C54.2 40.09,74.46 v2(40.11,74.48) ; v2(123.93,84.89) 123.9,84.86 U9.4 ; R70.2 v2(40.62,78.54) ; U10.8 v2(35.28,87.68) ; C24.2 C23.2 76.42,66.34 v2(76.43,66.35) ; v2(116.31,82.1) 116.4,82.01 R58.1 ; v2(30.2,72.19) 30.24,72.15 U11.8 ; SW1.2 90.4,65.33 v2(90.15,65.59) ; v2(42.9,67.87) 42.86,67.91 C50.2 ; C8.1 92.84,64.67 v2(92.69,64.82) ; C47.2 14.5,93.99 v2(14.45,94.03) ; v2(147.3,71.68) 146.56,70.95 IC1.10 ; C49.2 v2(46.97,80.57) ; R4.2 v2(8.61,60.48) 8.61,58.73 8.02,58.13 J2.A1_B12
  Top w1.524: D31.1 v2(19.28,73.97) ; J39.4 23.6,12.51 J33.4
  Bottom w0.203: v1(61.7,41.46) 60.24,41.46 C9.2 ; U7.2 121.61,65.05 v1(121.64,65.08)
  Bottom w0.508: v2(58.65,47.81) 59.58,46.88 C12.2 ; U4.3 149.73,54 v2(149.84,53.9) ; v2(54.84,23.42) 54.82,23.41 R36.1 54.77,21.59 Q3.2 ; C28.2 v2(125.71,69.4) ; R9.1 6.06,29.78 v2(6.07,29.77) ; C15.2 C14.2 80.82,61.6 v2(82.02,62.79) ; C15.2 80.82,55.77 C16.2 81.82,55.73 v2(82.27,56.19) ; C15.2 81.01,58.22 v2(82.27,59.49) ; U5.3 v2(149.84,59.74) ; C10.2 64.24,51.87 v2(62.21,53.9) ; C4.2 v2(60.43,61.01) ; v2(117.2,84.13) 117.2,85.02 118.35,86.17 118.76,86.17 C40.2 C41.2 121.69,86.79 C42.2 125.07,86.79 v2(125.2,86.92) ; C17.2 84.46,44.35 v2(84.56,44.25) ; R48.2 v2(96.5,29.52) ; C57.2 128.09,51.08 U12.1 ; C25.2 124.81,60.9 v2(124.94,60.76) ; C19.2 v2(134.6,39.93) ; v2(157.46,8.69) 157.4,8.75 C20.2 ; C6.2 75.57,44.4 v2(75.67,44.5) ; Q6.2 66.97,21.59 R39.1 67.27,23.66 v2(67.29,23.68) ; v2(145.52,22.15) 144.49,21.12 R17.1 143.17,20.62 Q2.2 ; Q1.2 122.27,40.48 R16.1 122.32,42.14 v2(122.4,42.22) ; C11.2 75.57,48.67 v2(74.65,49.58) ; C9.2 58.05,41.29 v2(57.89,41.46) ; C13.2 77.56,36.26 v2(78.72,35.11) ; v2(63.22,23.68) R38.1 63.05,21.73 Q5.2 ; v2(88.37,48.06) 88.34,48.03 C18.2 ; v2(58.9,23.42) R37.1 58.96,21.59 Q4.2 ; v2(74.65,63.05) 75.88,61.81 C7.2 ; C5.2 v2(62.97,60.76) ; U3.3 v2(148.82,41.96)
  Bottom w1.524: J28.2 105.43,102.68 D28.1 v2(102.59,106.73) ; J27.2 92.73,102.68 D27.1 v2(89.64,106.73)
  Bottom w2.032: J36.3 79.25,7.53 D19.2 ; J17.3 96,5.76 D20.1
  vias: v1(2.01,47.3) v1(2.01,42.73) v1(2.01,33.58) v1(2.26,39.17) v1(2.26,27.99) v1(2.26,19.61) v1(2.26,8.44) v1(2.52,22.91) v1(3.02,71.68) v1(3.02,15.04) v1(3.53,99.88) v1(3.53,93.78) v1(3.53,85.14) v1(3.79,77.78) v1(6.07,24.69) v1(6.07,12.75) v1(6.33,67.36) v1(6.83,18.85) v1(8.1,9.71) v1(8.36,44.5) v1(8.36,3.1) v1(9.12,105.72) v1(9.37,100.13) v1(9.88,75.49) v1(10.64,15.29) v1(11.91,92.76) v1(12.17,20.63) v1(12.93,63.05) v1(13.18,67.11) v1(13.18,1.83) v1(13.44,44.5) v1(13.95,51.62) v1(14.96,82.86) v1(15.98,73.97) v1(15.98,44) v1(16.49,86.92) v1(16.49,70.41) v1(16.74,98.1) v1(16.74,79.05) v1(17.76,57.71) v1(17.76,49.08) v1(18.52,45.27) v1(19.03,38.41) v1(19.79,49.33) v1(19.79,44) v1(20.04,66.86) v1(20.04,59.74) v1(20.3,3.1) v1(20.55,96.32) v1(21.31,63.05) v1(21.82,106.99) v1(21.82,44.5) v1(22.33,20.88) v1(22.84,27.99) v1(23.09,25.71) v1(23.34,87.43) v1(23.34,81.84) v1(23.85,59.74) v1(24.11,22.41) v1(24.11,17.07) v1(24.61,65.59) v1(24.61,45.52) v1(24.87,98.35) v1(24.87,96.07) v1(24.87,78.54) v1(24.87,48.57) v1(25.38,51.87) v1(25.63,81.59) v1(25.63,30.79) v1(25.88,25.45) v1(26.14,18.85) v1(26.39,89.72) v1(26.39,75.75) v1(26.39,62.54) v1(27.15,87.18) v1(27.15,27.99) v1(27.15,24.18) v1(27.15,11.99) v1(27.41,7.17) v1(27.41,2.85) v1(27.92,53.65) v1(28.17,50.6) v1(28.17,32.57) v1(28.42,66.35) v1(28.42,37.9) v1(28.68,77.27) v1(28.68,15.29) v1(29.19,59.74) v1(29.19,10.72) v1(29.95,108) v1(30.71,63.81) v1(31.47,41.96) v1(31.73,53.14) v1(32.74,81.08) v1(33.5,67.87) v1(33.5,43.74) v1(33.76,59.74) v1(34.27,78.79) v1(34.52,3.1) v1(35.28,53.9) v1(35.54,68.13) v1(36.81,47.3) v1(37.57,24.44) v1(37.82,28.76) v1(38.84,92.26) v1(38.84,62.28) v1(39.35,1.83) v1(39.6,83.37) v1(39.6,49.58) v1(39.85,108.26) v1(39.85,59.74) v1(40.11,42.47) v1(41.12,98.61) v1(42.39,73.97) v1(43.16,78.03) v1(43.41,62.28) v1(44.17,102.42) v1(44.17,93.78) v1(45.19,67.36) v1(45.19,3.1) v1(45.44,41.96) v1(45.44,13.26) v1(45.7,77.52) v1(45.7,60) v1(45.95,54.16) v1(46.97,98.61) v1(46.97,50.6) v1(47.22,6.91) v1(48.24,15.04) v1(48.49,59.49) v1(48.49,3.86) v1(48.74,28.25) v1(49,73.46) v1(50.01,20.63) v1(50.27,80.57) v1(50.27,24.18) v1(50.27,13.77) v1(50.52,32.82) v1(50.78,89.97) v1(50.78,17.58) v1(51.03,94.54) v1(51.03,84.38) v1(51.28,102.16) v1(51.54,73.46) v1(51.54,57.2) v1(51.54,43.23) v1(52.05,108) v1(52.05,78.29) v1(52.81,54.41) v1(53.06,1.58) v1(53.57,73.46) v1(54.84,32.82) v1(54.84,30.03) v1(54.84,25.45) v1(55.09,37.9) v1(55.35,47.3) v1(56.62,50.6) v1(57.63,67.87) v1(57.63,60) v1(58.14,72.44) v1(58.4,62.54) v1(59.16,65.08) v1(59.16,25.45) v1(59.41,70.16) v1(60.68,2.34) v1(60.94,73.21) v1(61.44,30.28) v1(62.46,62.54) v1(62.97,25.71) v1(63.73,73.97) v1(64.49,33.07) v1(65.25,57.97) v1(66.27,62.28) v1(66.78,59.49) v1(67.03,14.79) v1(67.29,6.15) v1(68.05,74.48) v1(68.3,9.71) v1(68.56,2.34) v1(69.32,30.53) v1(69.32,22.66) v1(70.08,17.83) v1(71.1,49.58) v1(72.37,53.14) v1(72.62,73.97) v1(72.62,46.28) v1(72.62,43.74) v1(73.13,62.54) v1(73.89,26.47) v1(76.18,2.34) v1(76.94,71.43) v1(77.7,52.63) v1(77.7,21.14) v1(78.46,73.97) v1(78.46,69.65) v1(78.97,11.48) v1(79.22,18.59) v1(80.24,14.28) v1(81.26,70.92) v1(82.02,38.92) v1(82.53,45.27) v1(82.78,72.95) v1(83.03,6.15) v1(86.59,95.3) v1(86.59,83.62) v1(86.59,42.47) v1(87.1,80.32) v1(87.61,108) v1(87.86,102.92) v1(88.11,1.58) v1(88.37,11.23) v1(89.13,94.54) v1(89.64,98.35) v1(89.89,34.34) v1(90.15,47.81) v1(90.4,62.54) v1(90.91,95.81) v1(90.91,83.62) v1(91.42,55.68) v1(91.67,66.86) v1(91.67,47.04) v1(91.92,99.11) v1(91.92,78.79) v1(92.94,70.92) v1(93.45,54.16) v1(93.7,11.48) v1(93.96,94.29) v1(93.96,16.56) v1(94.21,67.11) v1(94.46,34.85) v1(94.72,81.59) v1(94.72,55.43) v1(94.97,108.51) v1(96.24,61.78) v1(96.5,64.82) v1(96.75,42.98) v1(97.26,68.13) v1(97.51,52.12) v1(97.51,7.93) v1(98.27,11.99) v1(98.53,14.28) v1(99.04,45.27) v1(99.29,65.08) v1(99.29,61.78) v1(99.54,77.52) v1(99.54,49.33) v1(99.8,54.66) v1(99.8,33.84) v1(99.8,2.85) v1(100.05,67.11) v1(100.56,24.69) v1(100.81,93.27) v1(100.81,78.54) v1(101.07,82.6) v1(101.32,108.26) v1(101.32,42.47) v1(101.58,104.19) v1(101.58,64.57) v1(102.08,90.22) v1(102.08,85.65) v1(102.08,53.14) v1(102.34,97.84) v1(102.34,50.35) v1(102.59,28.5) v1(102.85,101.65) v1(102.85,47.04) v1(103.1,4.62) v1(103.35,95.05) v1(103.35,32.06) v1(103.86,44.5) v1(104.12,78.03) v1(104.12,24.44) v1(105.13,60) v1(105.39,48.57) v1(106.4,82.35) v1(106.66,33.33) v1(106.91,45.52) v1(107.16,3.1) v1(107.42,54.66) v1(107.42,29.01) v1(107.67,104.7) v1(107.67,62.03) v1(107.93,108.77) v1(108.69,78.29) v1(108.69,65.08) v1(108.94,52.38) v1(109.7,60) v1(109.7,48.06) v1(109.7,25.71) v1(109.7,11.74) v1(111.23,18.34) v1(111.48,62.03) v1(111.48,28.76) v1(111.74,32.31) v1(112.5,65.33) v1(112.5,7.67) v1(113.51,50.85) v1(113.51,39.42) v1(113.51,25.45) v1(113.77,106.23) v1(113.77,77.27) v1(113.77,55.17) v1(113.77,14.79) v1(114.28,99.88) v1(114.53,60.25) v1(114.78,79.81) v1(114.78,18.85) v1(115.29,97.08) v1(115.55,3.1) v1(115.8,94.54) v1(115.8,47.3) v1(116.05,105.21) v1(116.05,28.5) v1(116.31,33.33) v1(116.56,41.46) v1(117.07,71.68) v1(117.58,61.78) v1(117.83,55.43) v1(117.83,51.36) v1(118.59,47.3) v1(118.59,24.18) v1(118.85,93.78) v1(119.1,65.33) v1(119.36,32.57) v1(119.61,77.78) v1(119.86,71.43) v1(120.37,26.98) v1(120.63,106.48) v1(120.63,4.12) v1(121.13,21.9) v1(121.39,44.25) v1(121.64,33.58) v1(122.91,80.06) v1(123.42,92) v1(124.18,94.54) v1(124.18,65.33) v1(124.18,2.59) v1(124.69,16.56) v1(124.94,11.23) v1(125.71,99.37) v1(125.71,77.78) v1(126.47,71.17) v1(126.72,81.08) v1(126.72,61.01) v1(127.23,107.24) v1(127.23,44.5) v1(127.74,21.64) v1(127.99,47.3) v1(128.25,10.47) v1(128.75,102.16) v1(129.01,25.2) v1(129.01,14.53) v1(129.26,84.89) v1(129.52,81.33) v1(129.77,62.03) v1(130.02,78.03) v1(130.79,104.19) v1(131.04,67.87) v1(131.29,106.99) v1(131.29,69.9) v1(131.55,100.38) v1(131.55,65.59) v1(131.55,2.34) v1(132.31,67.11) v1(132.31,60.25) v1(132.82,3.61) v1(134.34,47.55) v1(135.36,32.06) v1(135.61,61.01) v1(136.12,4.12) v1(136.37,26.22) v1(136.37,22.15) v1(136.63,16.56) v1(138.66,44) v1(138.91,2.59) v1(140.18,48.82) v1(140.18,28.76) v1(140.69,41.2) v1(140.95,11.99) v1(141.2,50.35) v1(141.71,67.87) v1(141.96,27.23) v1(142.72,33.58) v1(142.72,2.59) v1(143.74,61.27) v1(143.74,49.33) v1(145.01,36.63) v1(145.77,6.66) v1(146.53,32.82) v1(146.53,28.25) v1(147.3,64.57) v1(148.31,40.44) v1(148.82,51.87) v1(148.82,9.71) v1(149.84,62.54) v1(150.09,1.83) v1(150.6,52.38) v1(151.36,24.95) v1(151.61,16.06) v1(151.87,31.3) v1(152.63,19.36) v1(153.65,51.11) v1(154.15,70.92) v1(154.41,85.14) v1(154.66,91.75) v1(154.66,64.06) v1(154.66,3.36) v1(155.17,77.52) v1(155.42,106.73) v1(155.68,102.16) v1(155.68,98.1) v1(155.93,94.54) v1(155.93,41.46) v1(156.19,16.31) v1(157.46,35.87) v1(158.47,80.57) v1(158.47,48.06) v1(158.73,66.09) v1(159.23,70.92) v1(159.74,107.5) v1(160.5,103.69) v1(160.5,20.12) v1(161.01,7.42) v1(162.28,84.64) v1(162.28,35.87) v1(163.04,70.41) v1(163.3,98.35) v1(163.55,81.08) v1(163.55,77.78) v1(163.81,101.91) v1(163.81,74.22) v1(163.81,51.87) v1(164.82,46.28) v1(165.08,106.23) v1(165.84,68.38) v1(166.35,2.09) v1(167.36,83.62) v1(167.62,102.92) v1(168.38,12.5) v1(168.89,16.31) v1(169.39,20.88) v1(170.66,34.6) v1(170.92,51.11) v1(171.68,44) v1(171.93,100.89) v1(171.93,79.3) v1(172.19,96.07) v1(172.19,89.97) v1(172.19,85.14) v1(172.19,73.97) v1(172.19,68.63) v1(172.44,38.41) v1(172.44,6.91) v1(173.2,49.33) v1(173.2,32.06)
